# Altium PCB PCB_Kasli.PCBDOC (part 12 of 14) (continued)
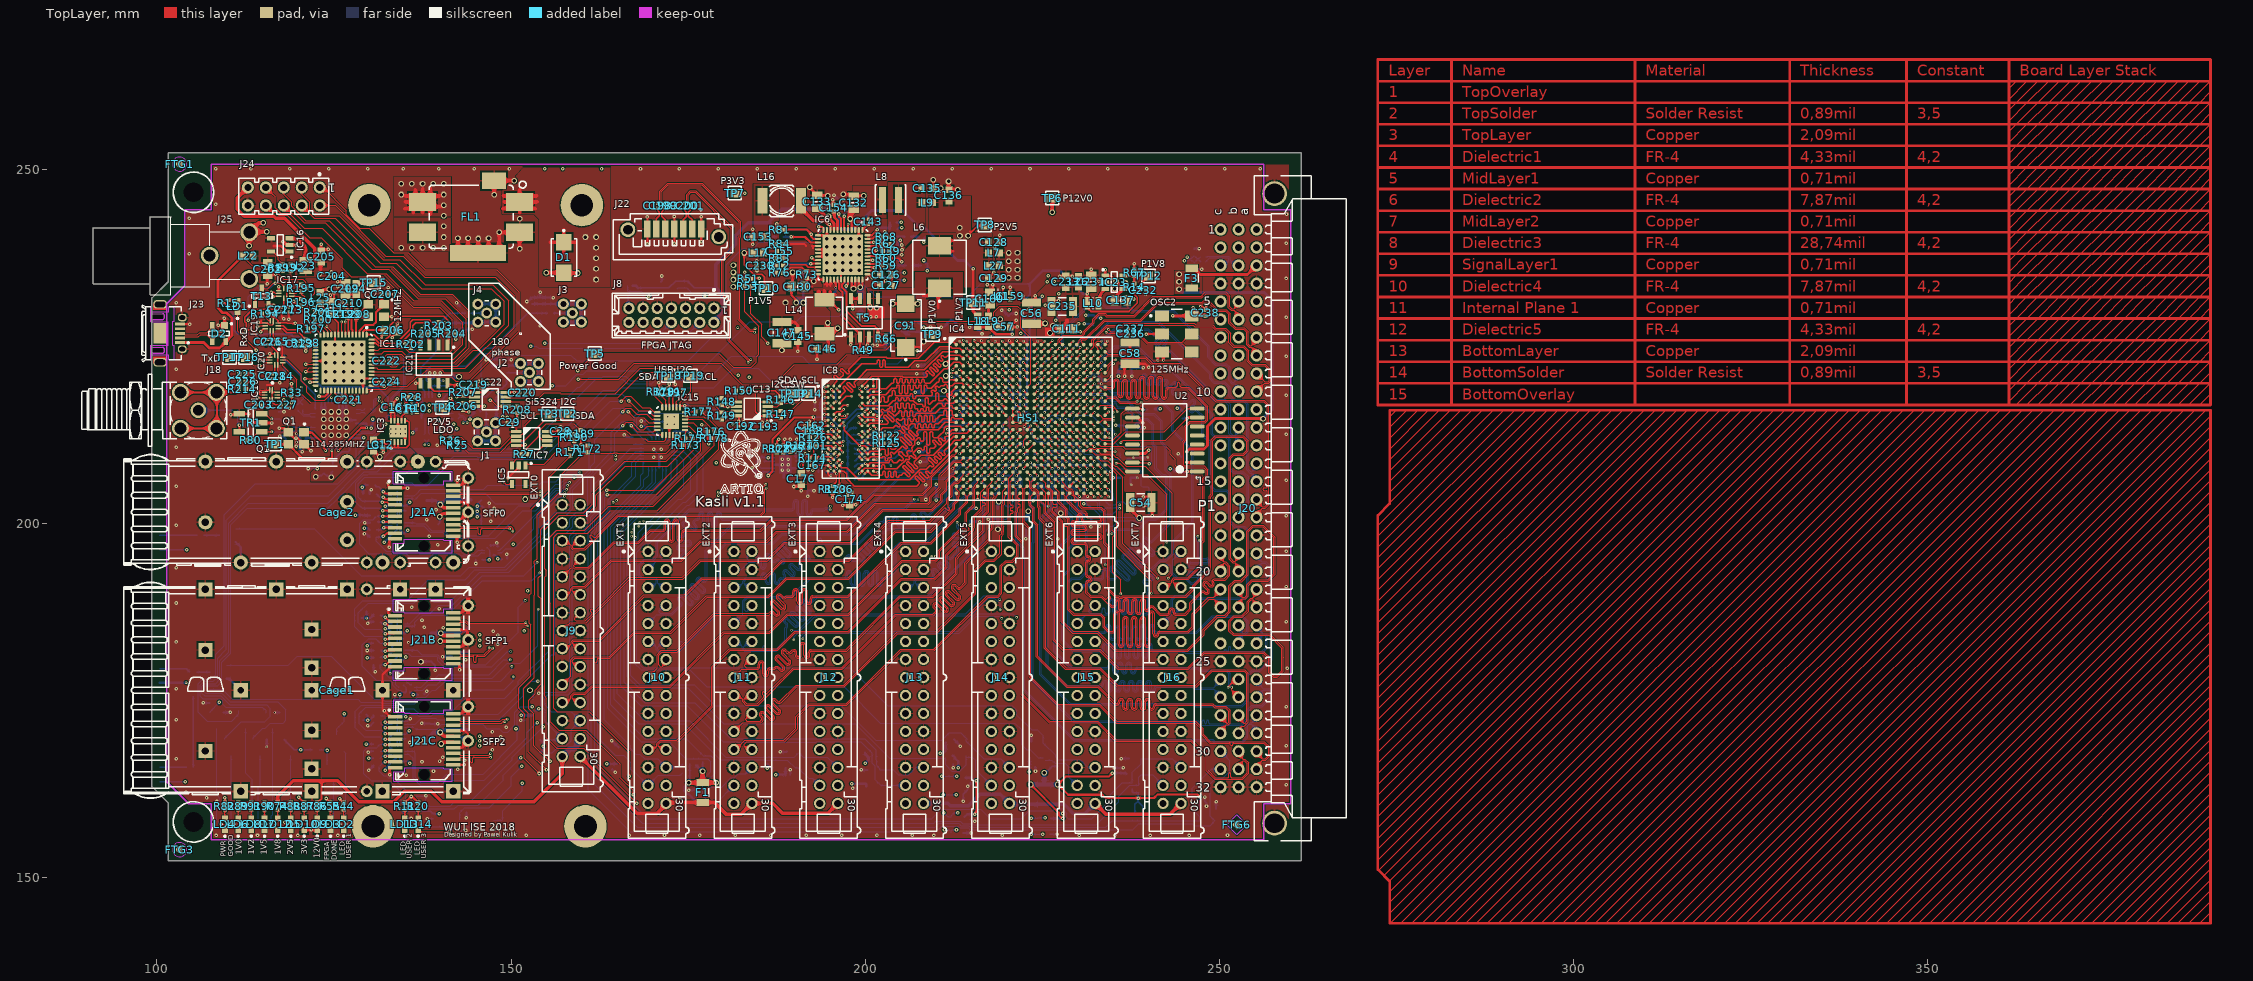
[diagram p0: TopLayer view]
## Nets (pads, with @x,y where several pads share a name; then routed paths per layer and width w, separated by ;. In a path a pad name is that pad's centre, name@x,y a point inside that pad or via, vN(x,y) a via of type N, cw(c..) or ccw(c..) an arc to the next point about the centre after c; other vN are vias at no path point) (continued)
  TopLayer w0.25: v3(182.927,238.252) 182.927,236.573 184.25,235.25 185.421,235.25 185.777,234.894 TP10.1@185.777,233.473
  TopLayer w0.3: TP10.1@185.777,233.473 TP10.1@186,233.25 ; C176.2@190.95,207.15 191.225,207.425 v1(191.225,208.85) ; v2@200.678,212.56 v2(200.71,212.56) ; v3(211.35,222.575) 212.09,223.315 IC4.C1@212.872,223.315
  TopLayer w0.5: v3(182.927,238.252) L17.2@184.162,238.252
  MidLayer1 w0.4: 205.55,232.45 205.55,233.575 206.1,234.125 206.1,234.623 205.55,235.173 v1(205.55,235.475)
  BottomLayer w0.15: T9.1@113.604,169.552 113.604,169.829 114.925,171.15 115.275,171.15 116,171.875 117.825,171.875 118.2,172.25 118.2,173.725 117.025,174.9 110.325,174.9 109.175,176.05 106.925,176.05 106.675,176.3 106.675,176.95 106.875,177.15 108.605,177.15 109.15,177.695 109.15,180.425 110.45,181.725 110.45,199.85 112.775,202.175 124.125,202.175 125.565,203.615 125.565,203.636 129.304,207.375 131.125,207.375 133.813,210.063 137.368,210.063 137.381,210.05 145.4,210.05 145.675,209.775 153.975,209.775 163.041,218.841 164.978,218.841 165.362,219.225 178.6,219.225 181.35,221.975 184.925,221.975 187.609,219.291 v2(194.309,219.291)
  BottomLayer w0.2: v2(194.251,215.449) 193.6,216.1 C169.2@193.6,216.65 193.6,217.132 v2(194.317,217.849) ; v2(195.225,218.991) 195.687,218.529 C164.2@195.839,218.529 195.839,217.412 v2(195.913,217.338) ; v2(200.043,219.125) 200.053,219.115 200.185,219.115 200.6,218.7 C166.2@200.625,218.7 200.65,218.7 200.7,218.65 200.7,218.345 v2(201.56,217.486) 201.56,217.472 201.535,217.447 201.535,216.574 201.892,216.217 201.91,216.199 201.898,216.211 v2(201.885,216.211) ; v2(200.71,212.56) 200.75,212.56 200.94,212.75 C170.2@201.625,212.75 201.6,212.775 201.6,213.4 v2(201.575,213.425) ; v2@201.9,208.2 C171.2@202.375,208.2 ; R61.1@204.432,235.458 v1@205.533,235.458 ; v2(211.455,212.811) 213.111,212.811 213.6,213.3 214.857,213.3 v2(215.372,213.815) ; C64.2@212.8,221.125 213.11,220.815 v2(213.372,220.815) ; v2(217.5,218.825) 217.5,218.875 217.9,219.275 C83.2@218.025,219.275
  BottomLayer w0.3: IC9.2@190.225,208.85 v1(191.225,208.85) ; C85.2@213.8,218.275 v2@214.27,217.805
  BottomLayer w0.5: C81.2@210.046,224.282 C81.2@210.046,224.529
  other v3: 211.125,218.8 211.41,220.886
P1V8: C231.2 C232.2 L4.1 L10.2 L26.1 R14.2 T15.1 TP12.1 | length 202.1
  TopLayer w0.25: L10.2@231.356,230.543 231.899,230 237.25,230 238.436,231.186 238.436,231.967 238.042,232.361 238.042,233 R14.2@237.998,232.956
  TopLayer w0.35: L26.1@230.489,234.661 231.856,233.294 231.568,233.028 ccw(c232.11,232.486) v1(231.343,232.486) 231.343,231.171 ccw(c231.387,231.171) L10.2@231.356,231.14 ; R14.2@238.042,233 C232.2@238.9,233 238.9,233.9 TP12.1@240,235
  BottomLayer w0.15: T15.1@115.382,173.362 115.4,173.38 115.4,173.575 114.9,174.075 109.725,174.075 109.3,174.5 109.3,175 109,175.3 106.475,175.3 106.1,175.675 106.1,177.2 106.675,177.775 107.975,177.775 108.575,178.375 108.575,181.05 109.8,182.275 109.8,200.525 113.275,204 124.278,204 128.54,208.262 128.54,210.199 129.391,211.05 132.128,211.05 132.303,211.225 132.697,211.225 133.322,210.6 150.7,210.6 159.4,219.3 159.7,219.3 161.064,220.664 162.814,220.664 163,220.85 166.2,220.85 166.85,220.2 169.55,220.2 170.2,220.85 176.025,220.85 183.725,228.55 190.25,228.55 191.025,229.325 196.37,229.325 196.725,229.68 196.725,233.697 197.103,234.075 199.549,234.075 201.574,232.05 214.5,232.05 216.675,234.225 218.197,234.225 218.547,233.875 223.25,233.875
  BottomLayer w0.3: L4.1@222.338,231.44 223.25,232.352 223.25,233.35 223.25,233.875 223.25,233.9
  BottomLayer w0.35: 223.25,233.9 225.1,235.75 227.488,235.75 230.752,232.486 v1(231.343,232.486)
P1V8_USB: C206.2 IC18.2 IC18.31 IC18.43 | length 25
  TopLayer w0.3: v1(122.881,217.986) 123.686,217.986 124.115,218.415 IC18.31@124.115,218.808 ; IC18.2@129.115,226.708 129.115,227.159 129.328,227.372 132.027,227.372 132.119,227.28 132.119,226.943 131.75,226.574 v2(131.75,226.25) ; IC18.43@130.367,219.456 v1(132.08,219.456) ; C206.2@132.119,227.358 C206.2@132.141,227.358
  MidLayer2 w0.3: v1(122.881,217.986) 123.498,217.986 124.968,219.456 v1(132.08,219.456) 132.08,225.92 v2(131.75,226.25)
P2V5: C52.2 C54.2 C58.2 C61.2 C62.2 C63.2 C65.2 C66.2 C67.2 C68.2 C69.2 C70.2 C71.2 C72.2 C73.2 C74.2 C75.2 C76.2 C77.2 C78.2 C79.2 C80.2 C86.2 C87.2 C88.2 C89.2 C90.2 C136.2 C154.2 C159.2 C187A.2 C187B.2 C187C.2 C189A.2 C189B.2 C189C.2 C191A.2 C191B.2 C191C.2 C193.2 C216.2 C217.2 C218.2 C229.2 C238.2 IC4.A17 IC4.AA7 IC4.AA17 IC4.AB4 IC4.AB14 IC4.B14 IC4.C21 IC4.D18 IC4.E15 IC4.F12 IC4.F22 IC4.G19 IC4.H16 IC4.J13 IC4.K20 IC4.L17 IC4.M14 IC4.N21 IC4.P18 IC4.R5 IC4.R15 IC4.T2 IC4.T12 IC4.T22 IC4.U8 IC4.U19 IC4.V6 IC4.V16 IC4.W3 IC4.W13 IC4.Y10 IC4.Y20 IC6.8 IC11A.6 IC11B.6 IC11C.6 IC12A.6 IC12B.6 IC12C.6 IC13.1 IC13A.6 IC13B.6 IC13C.6 IC17.6 IC19.6 IC20.6 J8.2 L9.2 OSC2.2 OSC2.6 R1.1 R42.2 R46.1 R52.1 R57.2 R58.2 R78.1 R94.2 R95.2 R96.2 R146.2 R147.2 R150.1 R209.2 R210.1 T7.1 TP8.1 U1.A2 U1.B2 U2.14 | length 256.9
  TopLayer w0.125: v2(213.325,209.9) 213.457,209.9 IC4.T2@213.872,210.315 ; v2(214.372,206.815) IC4.W3@214.872,207.315 ; IC4.AB4@215.872,204.315 215.9,204.287 v2(215.9,203.45) ; v2(216.372,210.815) IC4.R5@216.872,211.315 ; v2(217.372,207.815) IC4.V6@217.872,208.315 ; v2(218.361,204.885) 218.442,204.885 IC4.AA7@218.872,205.315 ; v2(219.372,208.815) IC4.U8@219.872,209.315 ; v2(221.372,205.815) IC4.Y10@221.872,206.315 ; IC4.T12@223.872,210.315 224.377,209.81 v2(224.386,209.81) ; IC4.F12@223.872,220.315 224.32,220.763 224.507,220.763 v2(224.55,220.806) ; IC4.W13@224.872,207.315 225.361,206.826 v2(225.361,206.76) ; IC4.B14@225.872,224.315 226.343,224.786 v2(226.386,224.786) ; IC4.R15@226.872,211.315 v2(227.372,210.815) ; IC4.E15@226.872,221.315 v2(227.372,221.815) ; IC4.V16@227.872,208.315 228.277,207.91 v2(228.286,207.91) ; IC4.H16@227.872,218.315 v2(228.372,218.815) ; IC4.L17@228.872,215.315 228.906,215.315 229.316,215.725 v2(229.35,215.725) ; IC4.A17@228.872,225.315 v2(229.372,225.815) ; IC4.P18@229.872,212.315 v2(230.372,211.815) ; IC4.D18@229.872,222.315 230.427,222.87 v2(230.504,222.87) ; IC4.U19@230.872,209.315 v2(231.372,208.815) ; IC4.Y20@231.872,206.315 v2(232.372,205.815) ; IC4.K20@231.872,216.315 232.321,216.764 v2(232.385,216.764) ; IC4.N21@232.872,213.315 v2(233.372,212.815) ; IC4.C21@232.872,223.315 v2(233.372,223.815) ; IC4.T22@233.872,210.315 234.012,210.175 v2(235.3,210.175) ; IC4.F22@233.872,220.315 234.24,220.315 234.75,220.825 v2(234.762,220.825)
  TopLayer w0.2: v1(115.525,221.225) 115.547,221.203 C218.2@116.332,221.203 116.64,221.511 IC20.6@116.64,222.439 ; IC19.6@116.005,227.265 116.005,226.337 C216.2@115.697,226.029 114.615,226.029 113.269,227.375 v1(112.575,227.375) 112.575,228.368 112.375,228.568 112.375,229.15 113.525,230.3 117.301,230.3 C217.2@117.602,230.601 117.91,230.909 IC17.6@117.91,231.837 ; R150.1@182.725,218.785 184.5,218.785 ; C193.2@186.161,213.705 v1(186.161,214.425) 186.161,215.198 185.152,215.198 184.5,215.85 184.5,218.785 ; R146.2@188.097,217.985 187.297,218.785 184.5,218.785 ; 214.675,241.325 215.1,241.325 ; U1.A2@219.452,232.406 U1.B2@219.452,231.906 219.616,231.742 220.436,231.742 C159.2@220.472,231.706 ; v1(219.475,233.375) 219.463,233.363 219.463,232.425 U1.A2@219.482,232.406 ; IC4.J13@224.872,217.315 v2(225.307,217.75) ; IC4.M14@225.872,214.315 225.89,214.315 v2(226.375,214.8) ; v2(225.882,202.514) IC4.AB14@225.882,204.305 ; IC4.AA17@228.872,205.315 228.872,205.319 229.441,205.888 v2(229.486,205.888) ; IC4.G19@230.872,219.315 231.372,219.815 v2(231.45,219.815)
  TopLayer w0.3: IC13.1@186.161,215.198 186.213,215.25 187.86,215.25 R147.2@188.097,215.013 ; v3@214.55,240.75 215.9,242.1 TP8.1@216.75,242.1 ; IC4.AB14@225.872,204.315 IC4.AB14@225.882,204.305 ; C58.2@237.4,225.6 237.4,224.775 v3(237.925,224.25) ; v1(239.7,226.8) OSC2.2@241.902,226.8
  TopLayer w0.4: v1(194.775,244.425) 194.802,244.425 194.965,244.262 195.47,244.262 C154.2@195.58,244.152 ; C154.2@195.58,244.043 C154.2@195.689,244.043 ; C154.2@195.69,244.042 195.69,244.039 195.65,243.999 195.65,243.501 195.69,243.461 195.69,243.248 196.1,242.838 IC6.8@196.1,241.498 ; C54.2@237.325,203 237.325,202.2 v3(238.7,200.825) ; U2.14@237.697,209.975 U2.14@237.741,209.931 239.553,209.931 v1(240.03,210.408) ; v1(243.408,229.362) OSC2.6@246.124,229.362 ; OSC2.6@246.312,229.566 v1(246.312,230.536) ; OSC2.6@246.32,229.558 C238.2@248.088,229.558
  MidLayer1 w0.3: 150.75,197.525 150.35,197.125 v1(150.325,197.125) 151.1,196.35 156.85,196.35 ; v1(151.875,184.875) 154.375,184.875 155.538,183.712 156.925,183.712 ; v1(152.325,190.55) 153,191.225 156.7,191.225 ; 154.5,207.5 152,205 v3(152,203.5) 154.008,201.492 156.75,201.492 ; v1(186.161,214.425) 186.575,214.425 186.75,214.25 186.75,209.678 186.85,209.578 186.85,209.122 186.75,209.022 186.75,207.153 186.85,207.053 186.85,206.597 186.75,206.497 186.75,203
  MidLayer1 w0.5: v1(150.7,171.1) 150.9,171.3 150.9,171.7
  MidLayer2 w0.5: v1(194.775,244.425) 195.754,244.425 196.073,244.744 198.908,244.744 199.24,244.412 210.788,244.412 v3@213.18,242.02 ; v3@213.2,242.02 v3@213.18,242.02 ; v3@213.35,241.85 v3@213.18,242.02
  BottomLayer w0.1: R46.1@220.775,204.03 220.314,204.491 220.314,205.389 220.5,205.575 221.132,205.575 v2(221.372,205.815)
  BottomLayer w0.125: IC11C.6@134.312,171.004 134.312,170.363 134.399,170.276 C189C.2@135.128,170.276 135.625,170.773 v1(135.625,170.775) ; IC12B.6@134.312,181.418 134.312,181.163 C187B.2@134.875,180.6 134.875,180.9 135.15,181.175 v1(135.15,181.2) ; C66.2@232.165,202.175 233.451,200.889 234.523,200.889 R1.1@234.976,200.436 235.437,200.898 238.7,200.898 236.474,203.124 235.712,203.124 235.306,202.717 234.4,202.717 R210.1@233.909,203.208
  BottomLayer w0.2: T7.1@117.922,169.552 119.399,168.075 v1(120.3,168.075) 120.325,168.1 R57.2@121.955,168.1 ; IC12C.6@134.312,167.194 134.312,166.738 134.584,166.466 C187C.2@135.128,166.466 135.484,166.466 135.7,166.25 v1(135.7,166.225) ; IC11B.6@134.312,185.228 134.312,184.963 134.825,184.45 134.875,184.45 v1(135.35,184.925) ; IC12A.6@134.313,199.448 134.313,199.162 C187A.2@134.875,198.6 v1(135.4,199.125) ; IC11A.6@134.313,203.258 134.313,202.912 134.695,202.53 C189A.2@135.129,202.53 135.18,202.53 v1(135.675,203.025) ; IC13B.6@135.6,176.2 135.9,176.2 v1(136.2,175.9) C191B.2@136.95,175.9 ; IC13C.6@137.286,159.44 138.61,159.44 C191C.2@139,159.05 v1(139.85,159.05) ; IC13A.6@147.4,195.6 147.8,195.6 148.1,195.3 v1(148.1,195.1) 148.2,195 C191A.2@148.85,195 ; R58.2@167.925,233.32 172.3,233.32 173.25,234.27 R209.2@174.8,234.27 174.95,234.27 175.9,233.32 178.93,233.32 ; C88.2@215.862,211.325 v2(216.372,210.815) ; C90.2@216.725,208.325 216.862,208.325 v2(217.372,207.815) ; C74.2@217.775,205.325 217.921,205.325 v2(218.361,204.885) ; C62.2@220.525,206.125 221.062,206.125 v2(221.372,205.815) ; C65.2@223.775,209.85 224.346,209.85 v2(224.386,209.81) ; v2(224.55,220.806) 224.55,221 C73.2@224.85,221.3 ; C63.2@225.125,206.225 225.125,206.524 v2(225.361,206.76) ; v2(225.307,217.75) 225.35,217.75 225.825,218.225 C69.2@225.825,218.275 ; C61.2@225.9,224.15 225.9,224.3 v2(226.386,224.786) ; v2(226.375,214.8) 226.9,214.275 C79.2@226.925,214.275 ; C70.2@228.85,215.4 229.175,215.725 v2(229.35,215.725) ; C68.2@229.675,223.35 230.024,223.35 v2(230.504,222.87) ; C78.2@229.725,212.35 229.837,212.35 v2(230.372,211.815) ; C75.2@230.725,209.325 230.862,209.325 v2(231.372,208.815) ; v1(230.925,228.25) 231.975,228.25 C71.2@232.275,227.95 ; v2(231.45,219.815) 231.925,220.29 C89.2@232.01,220.29 ; R42.2@236.944,210.058 239.364,210.058 239.522,209.9 v1(240.03,210.408) ; v1(243.078,207.797) 243.345,207.797 R94.2@243.878,207.264
  BottomLayer w0.3: C87.2@224.877,202.998 225.361,202.514 v2(225.882,202.514) ; v2(229.486,205.888) 229.591,205.888 C80.2@230.028,206.324 ; v1(230.861,202.844) 231.281,202.844 231.95,202.175 C66.2@232.165,202.175 ; v1(235.4,213.925) 235.457,213.868 236.582,213.868 236.944,213.506 R52.1@236.944,212.344
  BottomLayer w0.4: C52.2@167.2,233.625 167.62,233.625 R58.2@167.925,233.32 ; v1(210.046,203.364) v1(210.046,205.576) ; C72.2@214.63,202.172 v1(215.71,202.172) ; v1(235.026,206.502) C76.2@235.828,206.502 C76.2@235.978,206.502 ; v1(235.775,220.833) 235.775,221.7 C77.2@236.105,222.03 ; C77.2@236.125,222.05 C77.2@236.105,222.03 ; v3(237.925,224.25) 236.25,222.575 236.25,222.325 236.105,222.18 C77.2@236.105,222.03 ; R96.2@240.925,216.229 v1(241.674,216.229) ; v1(244.075,216.35) 244.37,216.35 R95.2@244.775,215.945
  BottomLayer w0.5: J8.2@178.644,228.438 178.644,228.67 179.894,229.92 179.894,231.1 179.75,231.243 179.75,232.5 178.93,233.32 178.93,236.68 181.75,239.5 181.75,240.75 183.5,242.5 186.3,242.5 186.55,242.75 ; R78.1@187.49,241.554 187.196,241.554 186.55,242.2 186.55,242.75 ; v1(194.775,244.425) 188.225,244.425 186.55,242.75
  other v3: 152.675,176.5 213.382,240.675 214.525,240.7 213.357,241.792
P2V5_LDO: C16.2 C29.2 IC3.9 IC3.10 IC7.1 L1.2 L2.2 R15.2 R22.1 R25.2 R26.2 R27.1 TP4.1 | length 46.1
  TopLayer w0.125: C29.2@150.175,214.325 150.725,213.775 IC7.1@150.725,213.025
  TopLayer w0.2: v1(109.275,231.2) 109.59,231.2 R15.2@110.094,230.696 ; IC3.10@133.045,214.559 133.045,215.86 C16.2@133.2,216.015 133.545,215.67 IC3.9@133.545,214.559
  TopLayer w0.3: v3@131.711,216.114 v3(131.728,216.098) v3@131.811,216.015
  BottomLayer w0.2: v3(122.4,206.65) 122.562,206.65 122.688,206.776 123.171,206.776 L2.2@123.571,207.176 123.971,206.776 124.237,206.776 124.438,206.575 v3(124.6,206.575) 124.631,206.606 124.631,207.266 124.821,207.456 R22.1@124.841,207.456
  BottomLayer w0.3: v1(109.275,231.2) 110.8,229.675 110.8,227.4 111.4,226.8 114.222,226.8 114.422,226.6 114.878,226.6 115.078,226.8 118.847,226.8 119.322,226.325 120.875,226.325 122.5,224.7 122.5,220.1 123.307,219.293 131.199,219.293 132.6,217.892 132.6,216.97 v3(131.728,216.098) ; L1.2@141.301,220.932 L1.2@141.508,220.725
  BottomLayer w0.5: L1.2@141.533,220.75 v3(142.65,220.75)
  other v1: 139.6,211.1 131.3,214.775
P3V3: C28.2 C30.2 C31.2 C32.2 C33.2 C34.2 C35.2 C36.2 C37.2 C39.2 C40.2 C41.2 C42.2 C129.2 C137.2 C161.2 C172.2 C178A.2 C178B.2 C178C.2 C181A.2 C181B.2 C181C.2 C186A.2 C186B.2 C186C.2 C188A.2 C188B.2 C188C.2 C190A.2 C190B.2 C190C.2 C192.2 C196.2 C197.2 C203.2 C220.2 D3.4 D4.4 D5.4 D6.4 D7.4 D8.4 D9.4 D10.4 D11.4 D12.4 D13.4 D14.4 F1.1 F2.1 F3.1 IC5.4 IC7.8 IC9.7 IC9.10 IC10.6 IC11A.1 IC11A.7 IC11B.1 IC11B.7 IC11C.1 IC11C.7 IC12A.7 IC12A.10 IC12B.7 IC12B.10 IC12C.7 IC12C.10 IC13.8 IC13A.7 IC13A.10 IC13B.7 IC13B.10 IC13C.7 IC13C.10 IC14.21 IC15.21 IC22.8 IC23.1 IC23.4 L3.1 L7.2 L20A.1 L20B.1 L20C.1 L21A.1 L21B.1 L21C.1 L27.2 LD11A.2 LD11B.2 LD11C.2 R11.2 R20.2 R44.2 R51.2 R55.2 R82.2 R87.2 R127.2 R134A.2 R134B.2 R134C.2 R137A.2 R137B.2 R137C.2 R138A.2 R138B.2 R138C.2 R148.2 R149.2 R151.2 R155.2 R156.2 R157.2 R158.2 R159.2 R160.2 R161.2 R162.2 R163.2 R164.2 R165.2 R166.2 R167.2 R168.2 R169.2 R170.2 R171.2 R172.2 R173.2 R175.2 R176.2 R178.2 R180.2 R181.1 R182.2 R183.2 R184.2 R185.2 R186.2 R187.2 R188.2 R189.2 R190.2 TP7.1 U2.2 | length 275.9
  TopLayer w0.1: v1(149,206) 149,205.9 149.275,205.625 IC5.4@150.125,205.625
  TopLayer w0.19: R181.1@172.143,219.11 R181.1@172.358,219.325 ; R181.1@172.35,219.334 v1(172.35,219.75)
  TopLayer w0.2: R82.2@109.601,160.617 v1(109.601,161.324) ; v1(115.7,216.5) 115.9,216.7 IC10.6@115.9,217.5 ; v1(120,161.394) R87.2@120.777,160.617 ; v1(123.9,161.219) R55.2@124.502,160.617 ; v1(125.8,161.182) R44.2@126.365,160.617 ; IC22.8@149.245,218.562 149.283,218.6 v1(150.475,218.6) C220.2@151.25,218.6 ; IC7.8@155.125,213.025 156.625,213.025 C28.2@156.7,213.1 156.693,213.1 156.3,213.493 v1(156.3,213.6) ; R171.2@158.375,210.57 158.98,211.175 ; R190.2@158.9,211.73 158.9,211.255 158.98,211.175 ; v1(159.9,211.175) 158.98,211.175 ; IC15.21@172.856,216.451 172.856,217.931 C197.2@173.1,218.175 ; C197.2@173,218.175 C197.2@173.1,218.175 ; v1@173.575,218.137 v1(173.563,218.125) 173.513,218.175 C197.2@173.1,218.175 ; v1(179.031,217.731) R148.2@179.769,217.731 ; R149.2@179.769,214.759 180.28,215.27 IC13.8@181.833,215.27 182.155,215.27 182.159,215.266 v1(182.159,214.475) C192.2@182.159,213.705 ; v1(182.975,235.5) 182.985,235.49 182.985,234.604 R51.2@182.994,234.594
  TopLayer w0.3: C203.2@114.75,216.8 115.05,216.5 v1(115.7,216.5) ; L3.1@130.6,210.325 v3(131.475,209.45) ; R11.2@135,160.617 v1(135.883,161.5) 136.017,161.5 R20.2@136.9,160.617 ; R189.2@159.9,212.205 v1(159.9,211.175) 160.03,211.045 R172.2@160.85,211.045 ; R173.2@175.12,211.1 175.12,211.575 R175.2@175.595,212.05 175.325,212.32 v1(175.325,212.725) ; R176.2@177.78,213.025 177.78,211.42 v1(177.9,211.3) 177.9,211.795 ; TP7.1@181.6,246.7 v1(183,246.7) ; v1(215.5,159) 215.5,159.2 215.7,159.4 v1(215.7,163.7) ; v3(223.362,163.198) 227.35,159.21 227.35,158.872 227.822,158.4 v1(227.9,158.4) ; IC23.1@233.898,235.068 v1@233.898,235.854 ; v1(234.9,164.8) 234.4,164.3 228.314,164.3 v3(227.212,163.198) 228.66,161.75 233.5,161.75 233.967,161.283 v1(238.537,161.283) 240.783,161.283 241.3,161.8 246.9,161.8 v1(247.25,161.45) ; C137.2@235.5,231.22 235.591,231.312 C137.2@235.591,231.742 ; IC23.4@236.343,233.168 235.5,232.325 235.575,232.25 236.496,233.17 236.75,233.424 v3(236.75,234)
  TopLayer w0.4: IC23.1@233.898,235.068 234.116,234.85 234.816,234.85 v3(235.427,234.239) 236.496,233.17 IC23.4@236.498,233.168 ; v1(245.425,210.2) 245.775,210.55 247.823,210.55 248.325,211.052 248.325,213.775 249.425,214.875 256.325,214.875 256.31,214.86 v3(256.188,214.86) v3@256.198,214.85 ; v1@245.466,208.661 U2.2@246.891,208.661 U2.2@247.536,208.661
  TopLayer w0.6: v3(175.102,163.452) F1.1@177.038,163.452 ; v3(177.038,165.087) F1.1@177.038,163.452 ; v3(178.952,163.452) F1.1@177.038,163.452
  MidLayer1 w0.3: 149.7,173.4 151,173.4 v1(151.45,172.95) ; 197.725,163.675 v1(198.1,163.3) 198.1,163.375 198.5,163.775
  BottomLayer w0.1: IC12A.10@133.213,200.548 133.458,200.548 133.765,200.241 ; IC13B.10@134.738,177.3 135.2,176.838 IC13B.7@135.2,176.2 ; IC13C.10@136.424,160.54 136.886,160.078 IC13C.7@136.886,159.44 ; IC13A.10@146.538,196.7 147,196.238 IC13A.7@147,195.6
  BottomLayer w0.125: v1@132.3,202.575 132.3,202.336 132.5,202.136 132.5,200.75 132.702,200.548 IC12A.10@133.213,200.548 ; 133.765,200.241 133.913,200.092 IC12A.7@133.913,199.448
  BottomLayer w0.2: LD11C.2@100.4,163.6 100.408,163.592 v1(103.992,163.592) ; LD11A.2@100.4,196.35 v1(104.2,196.35) ; v1(129,205.175) 129.025,205.15 R183.2@129.025,204.195 129.175,204.345 129.175,204.925 ; R188.2@129.025,172.3 129.05,172.275 v1(129.75,172.275) ; R187.2@129.495,173.125 129.75,172.87 v1(129.75,172.275) ; v1(129.535,168.91) R137C.2@130.594,168.91 ; v1(129.7,182.784) 130.05,183.134 R137B.2@130.594,183.134 ; v1(129.878,166.878) R138C.2@130.594,166.878 ; R134C.2@130.449,172.974 R134C.2@130.594,172.974 130.594,172.844 130.025,172.275 v1(129.75,172.275) ; v1(132.1,197.425) C186A.2@133.325,198.65 133.913,199.238 IC12A.7@133.913,199.448 ; v1@132.208,185.184 v1(132.229,185.163) 132.242,185.175 132.65,185.175 C186B.2@133.225,184.6 ; v1(132.225,165.225) 132.225,165.4 C186C.2@133.375,166.55 133.912,167.087 IC12C.7@133.912,167.194 ; v1@132.3,202.575 C188A.2@133.275,202.575 133.675,202.575 133.913,202.813 IC11A.7@133.913,203.258 IC11A.1@133.913,204.608 ; v2(132.925,178.875) 132.925,180.175 C188B.2@133.4,180.65 133.912,181.162 IC12B.7@133.912,181.418 ; IC12C.10@133.212,168.294 132.956,168.294 132.85,168.4 132.85,169.875 C188C.2@133.3,170.325 133.725,170.325 133.912,170.512 IC11C.7@133.912,171.004 IC11C.1@133.912,172.354 133.912,172.937 134.025,173.05 134.865,173.05 v1(135.132,172.783) v1@135.15,172.802 ; IC12B.10@133.212,182.518 133.212,182.913 132.8,183.325 132.8,184.175 C186B.2@133.225,184.6 ; IC11B.1@133.912,186.578 IC11B.7@133.912,185.228 133.912,184.831 133.681,184.6 C186B.2@133.225,184.6 ; v1(134.25,159.8) C190C.2@134.9,159.15 135.19,159.44 IC13C.7@136.886,159.44 ; C190B.2@134.3,175.3 v1(134.3,175.9) 134.6,176.2 IC13B.7@135.2,176.2 ; v1(145.25,201) 145.418,201.168 C178A.2@146.108,201.168 145.784,200.844 L20A.1@145.784,199.898 ; C190A.2@145.85,194.9 v1(146.9,194.9) 147,195 IC13A.7@147,195.6 ; L21A.1@145.886,203.378 145.25,202.742 v1(145.25,202.5) 145.892,202.5 C181A.2@146.208,202.184 ; v1(168.4,213.8) 168.984,213.8 C196.2@169.042,213.742 170.425,212.359 IC14.21@170.425,211.9 ; v3@175.22,163.57 R157.2@175.22,166.125 ; v3@177.05,165.099 R159.2@177.05,166.405 ; R161.2@186.1,166.18 186.5,165.78 ; v1(186.175,165.475) 186.195,165.475 186.5,165.78 ; R162.2@187,165.53 186.75,165.53 186.5,165.78 ; IC9.7@187.225,207.85 185.305,207.85 R127.2@184.53,208.625 185.425,209.52 C172.2@185.425,209.6 185.675,209.35 v1(186.3,209.35) IC9.10@187.225,209.35 ; v3(225.298,164.833) 225.483,164.833 226.43,165.78 R167.2@227.3,165.78 ; R169.2@237.725,162.598 237.725,162.175 237.87,162.03 R170.2@238.65,162.03 238.537,161.917 v1(238.537,161.283) 238.537,160.862 ; R182.2@238.1,159.065 238.1,160.425 238.537,160.862 ; R180.2@239.225,158.57 239.225,160.1 238.537,160.788 238.537,160.862
  BottomLayer w0.3: LD11B.2@100.4,177.562 104.112,177.562 v2(104.125,177.575) ; v1(128.03,201.23) R184.2@129,201.23 129.062,201.168 R137A.2@130.044,201.168 ; R186.2@128.895,186.7 v2(129.6,186.7) ; v1(129,205.175) 129.325,205.5 R134A.2@129.78,205.5 ; v1(129.3,199.4) 129.78,199.4 R138A.2@130.044,199.136 ; R185.2@129.6,187.64 v2(129.6,186.7) ; v1(129.702,181.102) R138B.2@130.594,181.102 ; R134B.2@130.594,187.198 130.096,186.7 v2(129.6,186.7) ; v1(151.45,172.95) C42.2@152,172.95 D3.4@152.95,172.95 ; D3.4@152.85,172.85 D3.4@152.95,172.95 ; D3.4@153,173 D3.4@152.95,172.95 ; R155.2@154.13,167.7 154.555,168.125 v1(154.555,168.605) 154.555,169.075 R156.2@154.13,169.5 ; v1(163.5,166.1) 164.9,166.1 D4.4@164.95,166.15 ; R151.2@172.97,213.025 175.025,213.025 v1(175.325,212.725) ; v3(175.102,163.452) 174.5,162.85 174.5,162.222 174.872,161.85 175.05,161.85 176.05,160.85 D5.4@176.05,160.55 ; R160.2@176.1,165.93 v3@176.931,165.099 ; v1(187.4,164.6) 188.65,164.6 C37.2@188.75,164.5 D6.4@188.75,165.55 ; v1(198.1,163.3) 200.1,163.3 200.15,163.25 D7.4@200.15,162.95 ; R164.2@199.98,167.7 199.98,167.52 200.555,166.945 R163.2@200.555,166.8 200.555,166.755 v1(200,166.2) ; v1(210.6,167.6) 211.03,167.6 R166.2@211.35,167.92 211.35,169.08 R165.2@211.4,169.13 ; D8.4@212.375,167.25 213.15,166.475 C40.2@213.15,166.1 v1(213.15,165.55) ; D13.4@214.05,158.65 214.4,159 v1(215.5,159) ; D12.4@214.15,164.15 C32.2@215,164.15 215.063,164.15 215.513,163.7 v1(215.7,163.7) ; v1(223.2,165) 223.2,166.9 D9.4@223.25,166.95 ; D11.4@226.25,158.45 226.3,158.4 C33.2@227.2,158.4 v1(227.9,158.4) ; v1(234.9,164.8) 236.8,164.8 D10.4@236.9,164.7 ; v1(245.415,208.712) v1@245.415,210.19 ; D14.4@247.25,159.95 C31.2@247.25,160.8 v1(247.25,161.45)
  BottomLayer w0.4: v3(244.323,233.121) 244.794,232.65 256.35,232.65 257.425,231.575 257.425,216.098 v3(256.188,214.86) ; v1@245.415,210.19 v1(245.425,210.2)
  BottomLayer w0.6: v3(223.362,163.198) F2.1@225.298,163.198 ; v3(225.298,164.833) F2.1@225.298,163.198 ; v3(227.212,163.198) F2.1@225.298,163.198
  other v1: 145.55,168.675 145.55,169.375 145.55,170.025 145.575,182.8 145.575,183.55 145.575,184.35 145.25,201.75 132.225,202.5 233.934,235.89
  other v3: 181.4,233.5 244.323,234.188 181.4,234.5 220.269,234.747 221.513,234.747 244.323,235.255 181.4,235.5 220.269,235.89 221.513,235.89 181.4,236.5 220.269,237.084 221.513,237.084 220.294,238.252 221.513,238.277
P3V3_USB: C204.2 C205.2 C213.2 C214.2 C215.2 C219.2 C221.2 C222.2 C223.2 C224.2 C227.2 IC10.1 IC10.7 IC10.10 IC17.1 IC17.7 IC17.10 IC18.16 IC18.36 IC18.44 IC18.50 IC19.7 IC19.10 IC20.1 IC20.7 IC21.6 IC21.8 IC22.1 J24.9 L23.2 L24.1 L25.1 R33.2 R192.2 R194.2 R195.2 R196.2 R197.2 R198.2 R202.2 R203.2 R204.2 R206.2 R207.2 | length 79
  TopLayer w0.125: IC10.7@116.3,217.5 IC10.1@116.3,218.7 ; IC10.1@116.3,218.85 IC10.1@116.3,218.7 ; IC10.10@117,218.6 116.4,218.6 IC10.1@116.3,218.7
  TopLayer w0.2: R194.2@115.77,229.7 116.216,229.254 116.525,229.254 117.105,228.674 IC19.10@117.105,228.365 118.337,228.365 118.402,228.3 v1(119.5,228.3) 120.607,228.3 R197.2@121.323,227.584 ; IC10.7@116.3,217.5 116.3,217.2 116.7,216.8 C227.2@117.55,216.8 117.55,217.15 v1(117.9,217.5) ; IC19.7@116.405,227.265 116.405,226.337 C215.2@116.713,226.029 ; C214.2@117.348,221.203 117.04,221.511 IC20.7@117.04,222.439 IC20.1@117.04,223.789 117.04,224.235 116.225,225.05 116.225,225.541 C215.2@116.713,226.029 ; v1(117.999,226.029) C215.2@116.713,226.029 ; IC17.1@118.31,233.187 IC17.7@118.31,231.837 118.31,230.909 C213.2@118.618,230.601 119.3,231.283 v1(119.3,231.4) 119.903,230.797 R196.2@120.396,230.797 ; IC17.1@118.329,232.937 IC17.10@119.01,232.937 119.564,232.937 R195.2@120.396,233.769 121.079,233.086 121.125,233.133 v1(121.125,233.175) ; R33.2@119,218.97 v1(119,219.8) ; IC18.36@126.615,218.808 126.615,218.285 126.85,218.05 126.85,217.5 C221.2@126.75,217.5 127.161,217.089 127.279,217.089 127.483,216.886 v1(127.781,216.886) ; IC18.44@130.315,220.008 v1(131.318,220.008) C224.2@132.067,220.008 ; IC18.50@130.315,223.008 131.314,223.008 v2(131.318,223.012) C222.2@132.111,223.012 ; v1@135.081,225.456 R202.2@135.753,224.783 ; IC21.6@138.488,219.853 138.488,219.387 139.186,218.689 141.363,218.689 142.05,219.376 142.05,219.65 ; R203.2@139.775,228.47 139.87,228.375 v1(140.65,228.375) ; IC21.8@141.028,219.853 141.231,219.65 142.05,219.65 ; R206.2@143.235,216.101 143.536,215.8 v1(144,215.8) ; R207.2@143.235,219.073 142.683,219.625 v1(142.5,219.625) 142.475,219.65 142.05,219.65 ; IC22.1@144.845,218.562 v1@145.988,218.562
  TopLayer w0.254: R207.2@143.235,219.073 143.852,219.073 ; C219.2@144.409,219.619 143.863,219.073 143.852,219.073 ; IC22.1@144.845,218.562 144.363,218.562 143.852,219.073
  TopLayer w0.3: C223.2@120.142,225.075 121.024,225.075 R198.2@121.031,225.082 ; v1(121.031,224.409) R198.2@121.031,225.082 ; IC18.16@122.415,225.508 121.457,225.508 R198.2@121.031,225.082 ; L24.1@128.143,233.922 v1(129.147,233.922) ; R204.2@142.133,226.871 142.2,226.804 v1(142.2,226.1)
  TopLayer w0.4: v3(124.331,233.111) 123.474,233.111 L25.1@123.063,232.7 ; L25.1@123.063,232.7 123.015,232.7 L25.1@123.063,232.652 L25.1@123.063,232.7
  TopLayer w0.5: J24.9@112.827,247.498 111.35,246.021 111.35,244.4 112.301,243.449 116.499,243.449 116.773,243.175 118,243.175 122.25,238.925 122.25,237.2 ; 123.091,235.936 C205.2@123.091,236.95
  MidLayer1 w0.2: v1(117.9,217.5) 119,218.6 v1(119,219.8) 119,220.8
  other v1: 146.125,218.525 135.025,225.4
  other v3: 122.936,235.331